# Altium PCB novena_evt1_a.PcbDoc (part 1 of 12)
Units mm, origin at the board's own origin, x right, y up, seen from the top; angles counter-clockwise.
Board outline 121 x 150 mm, 10 copper layers (Top, L2-GND, L3, L4, L5-PWR, L6-PWR, L7, L8, L9-GND, Bot), stack 1.621 mm thick; 951 components, 714 nets, 4891 pads, 2105 vias.
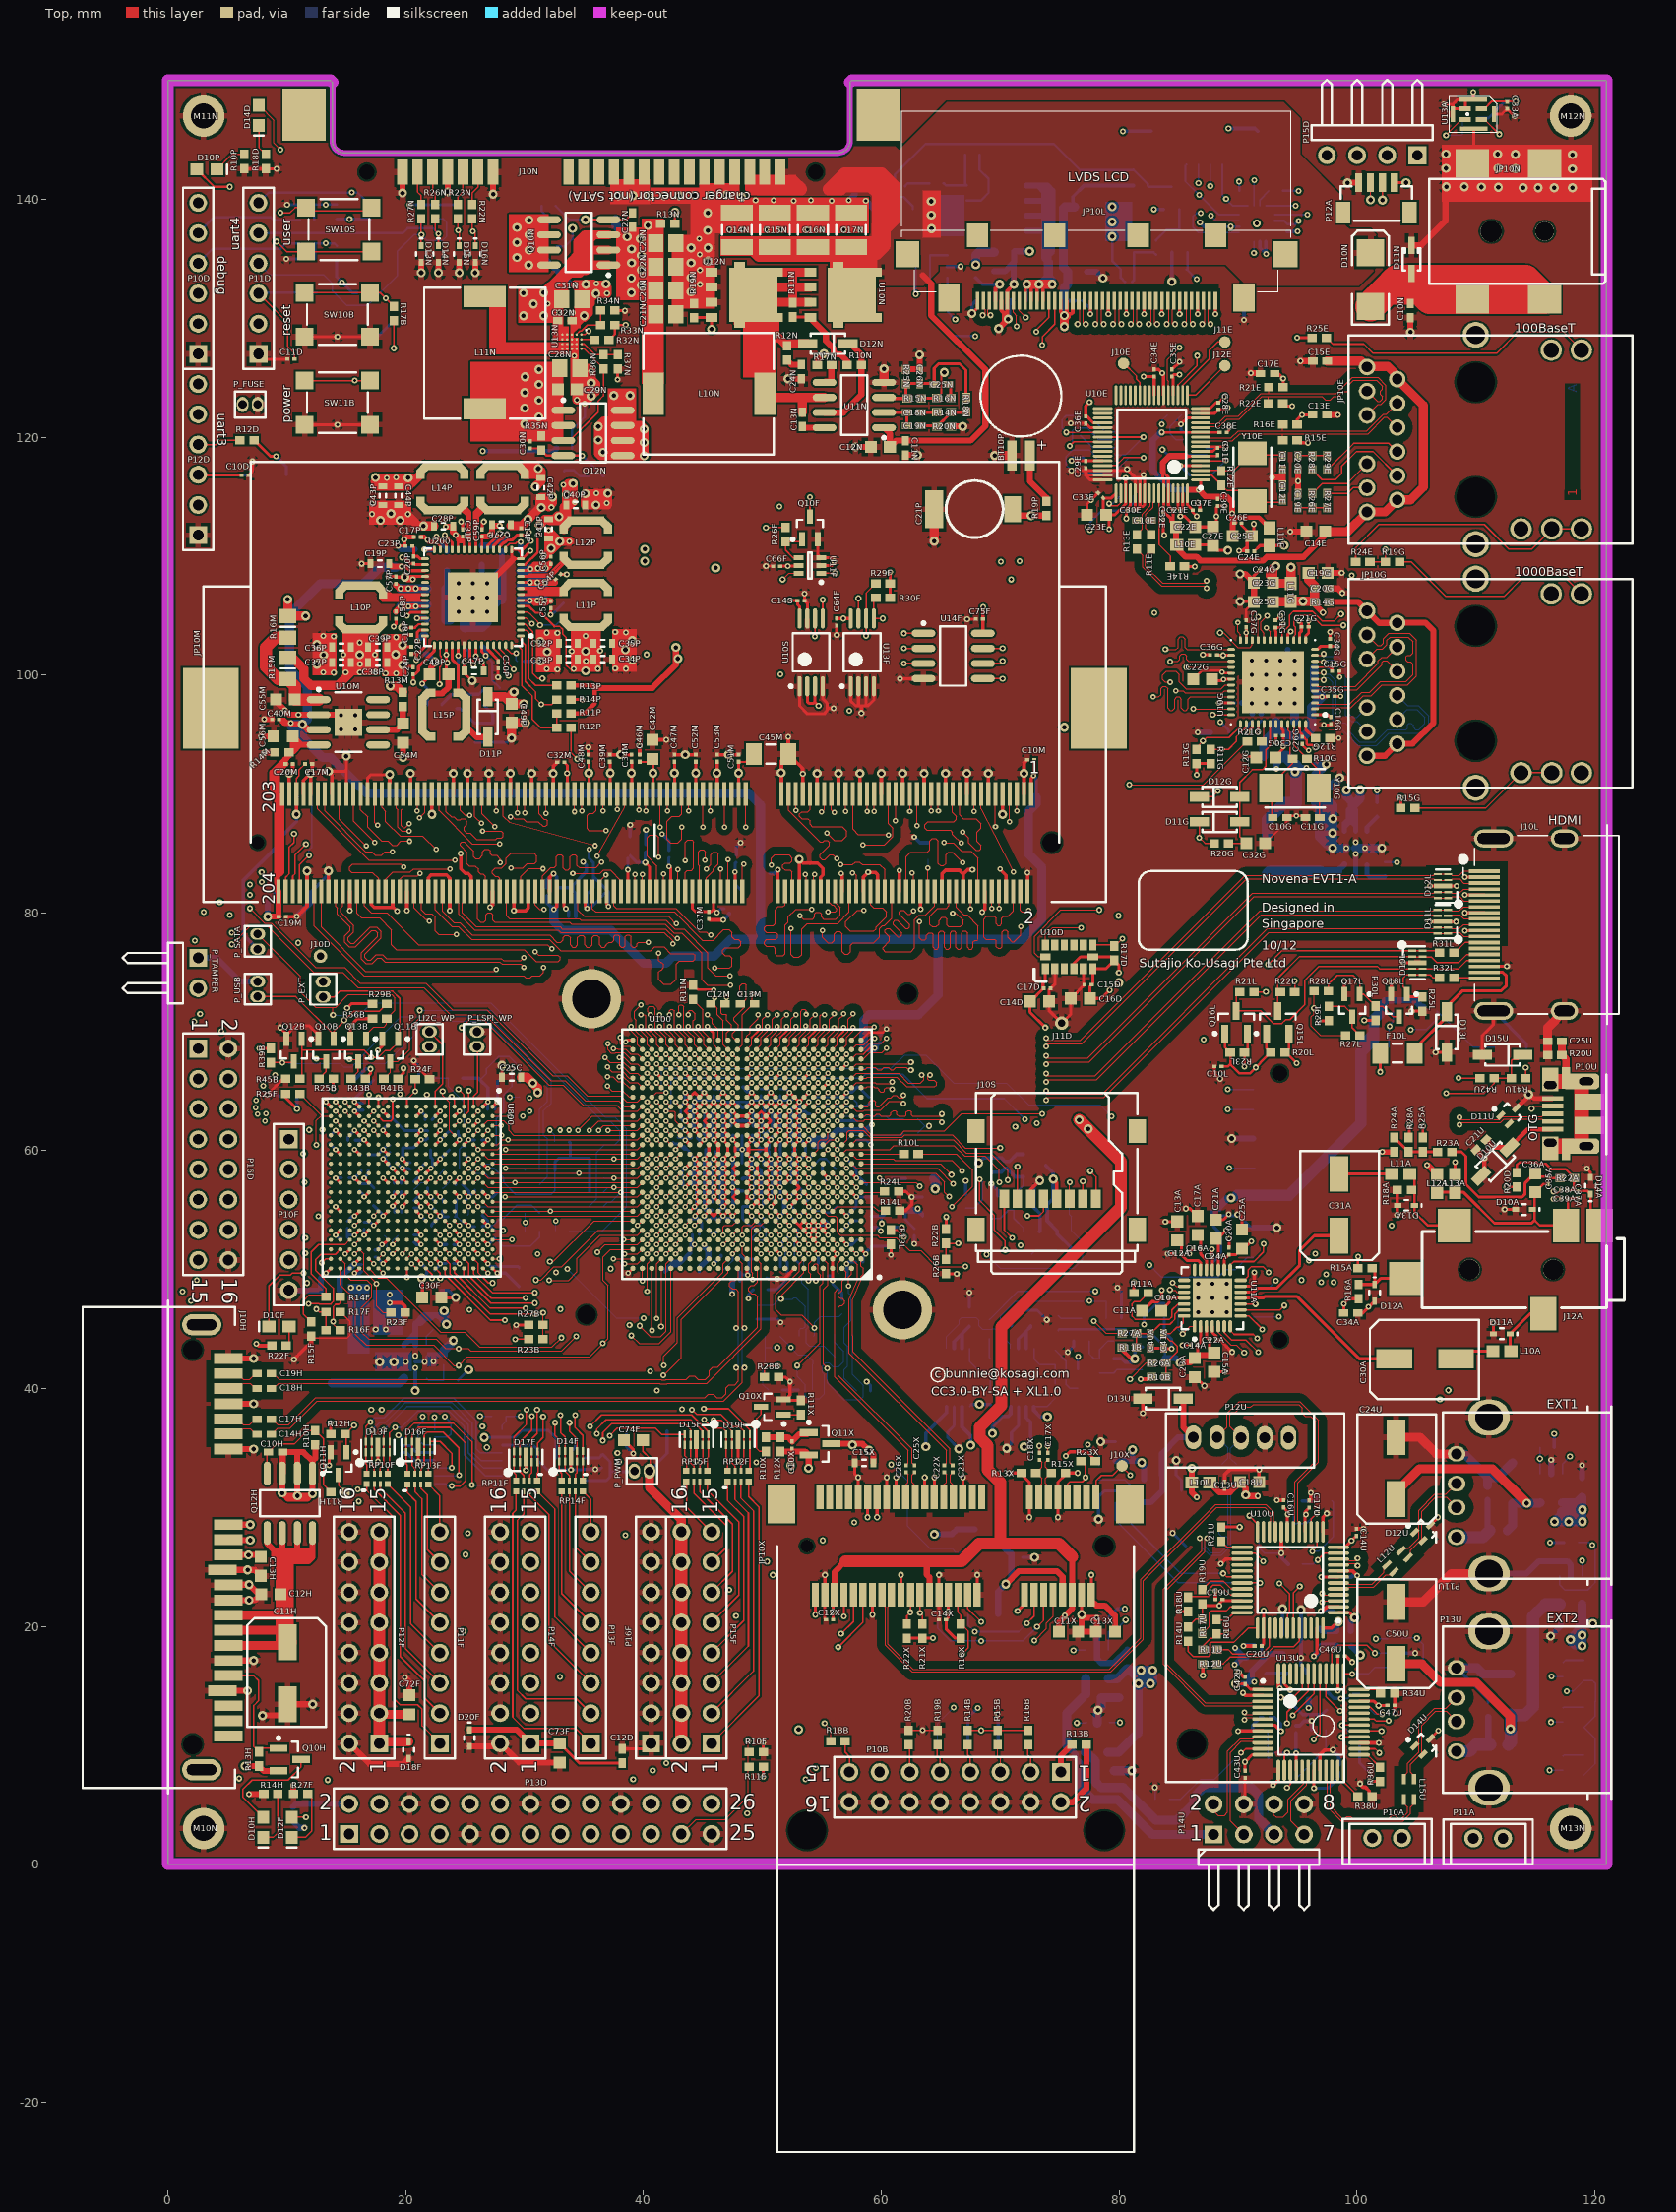
[diagram p0: Top view]
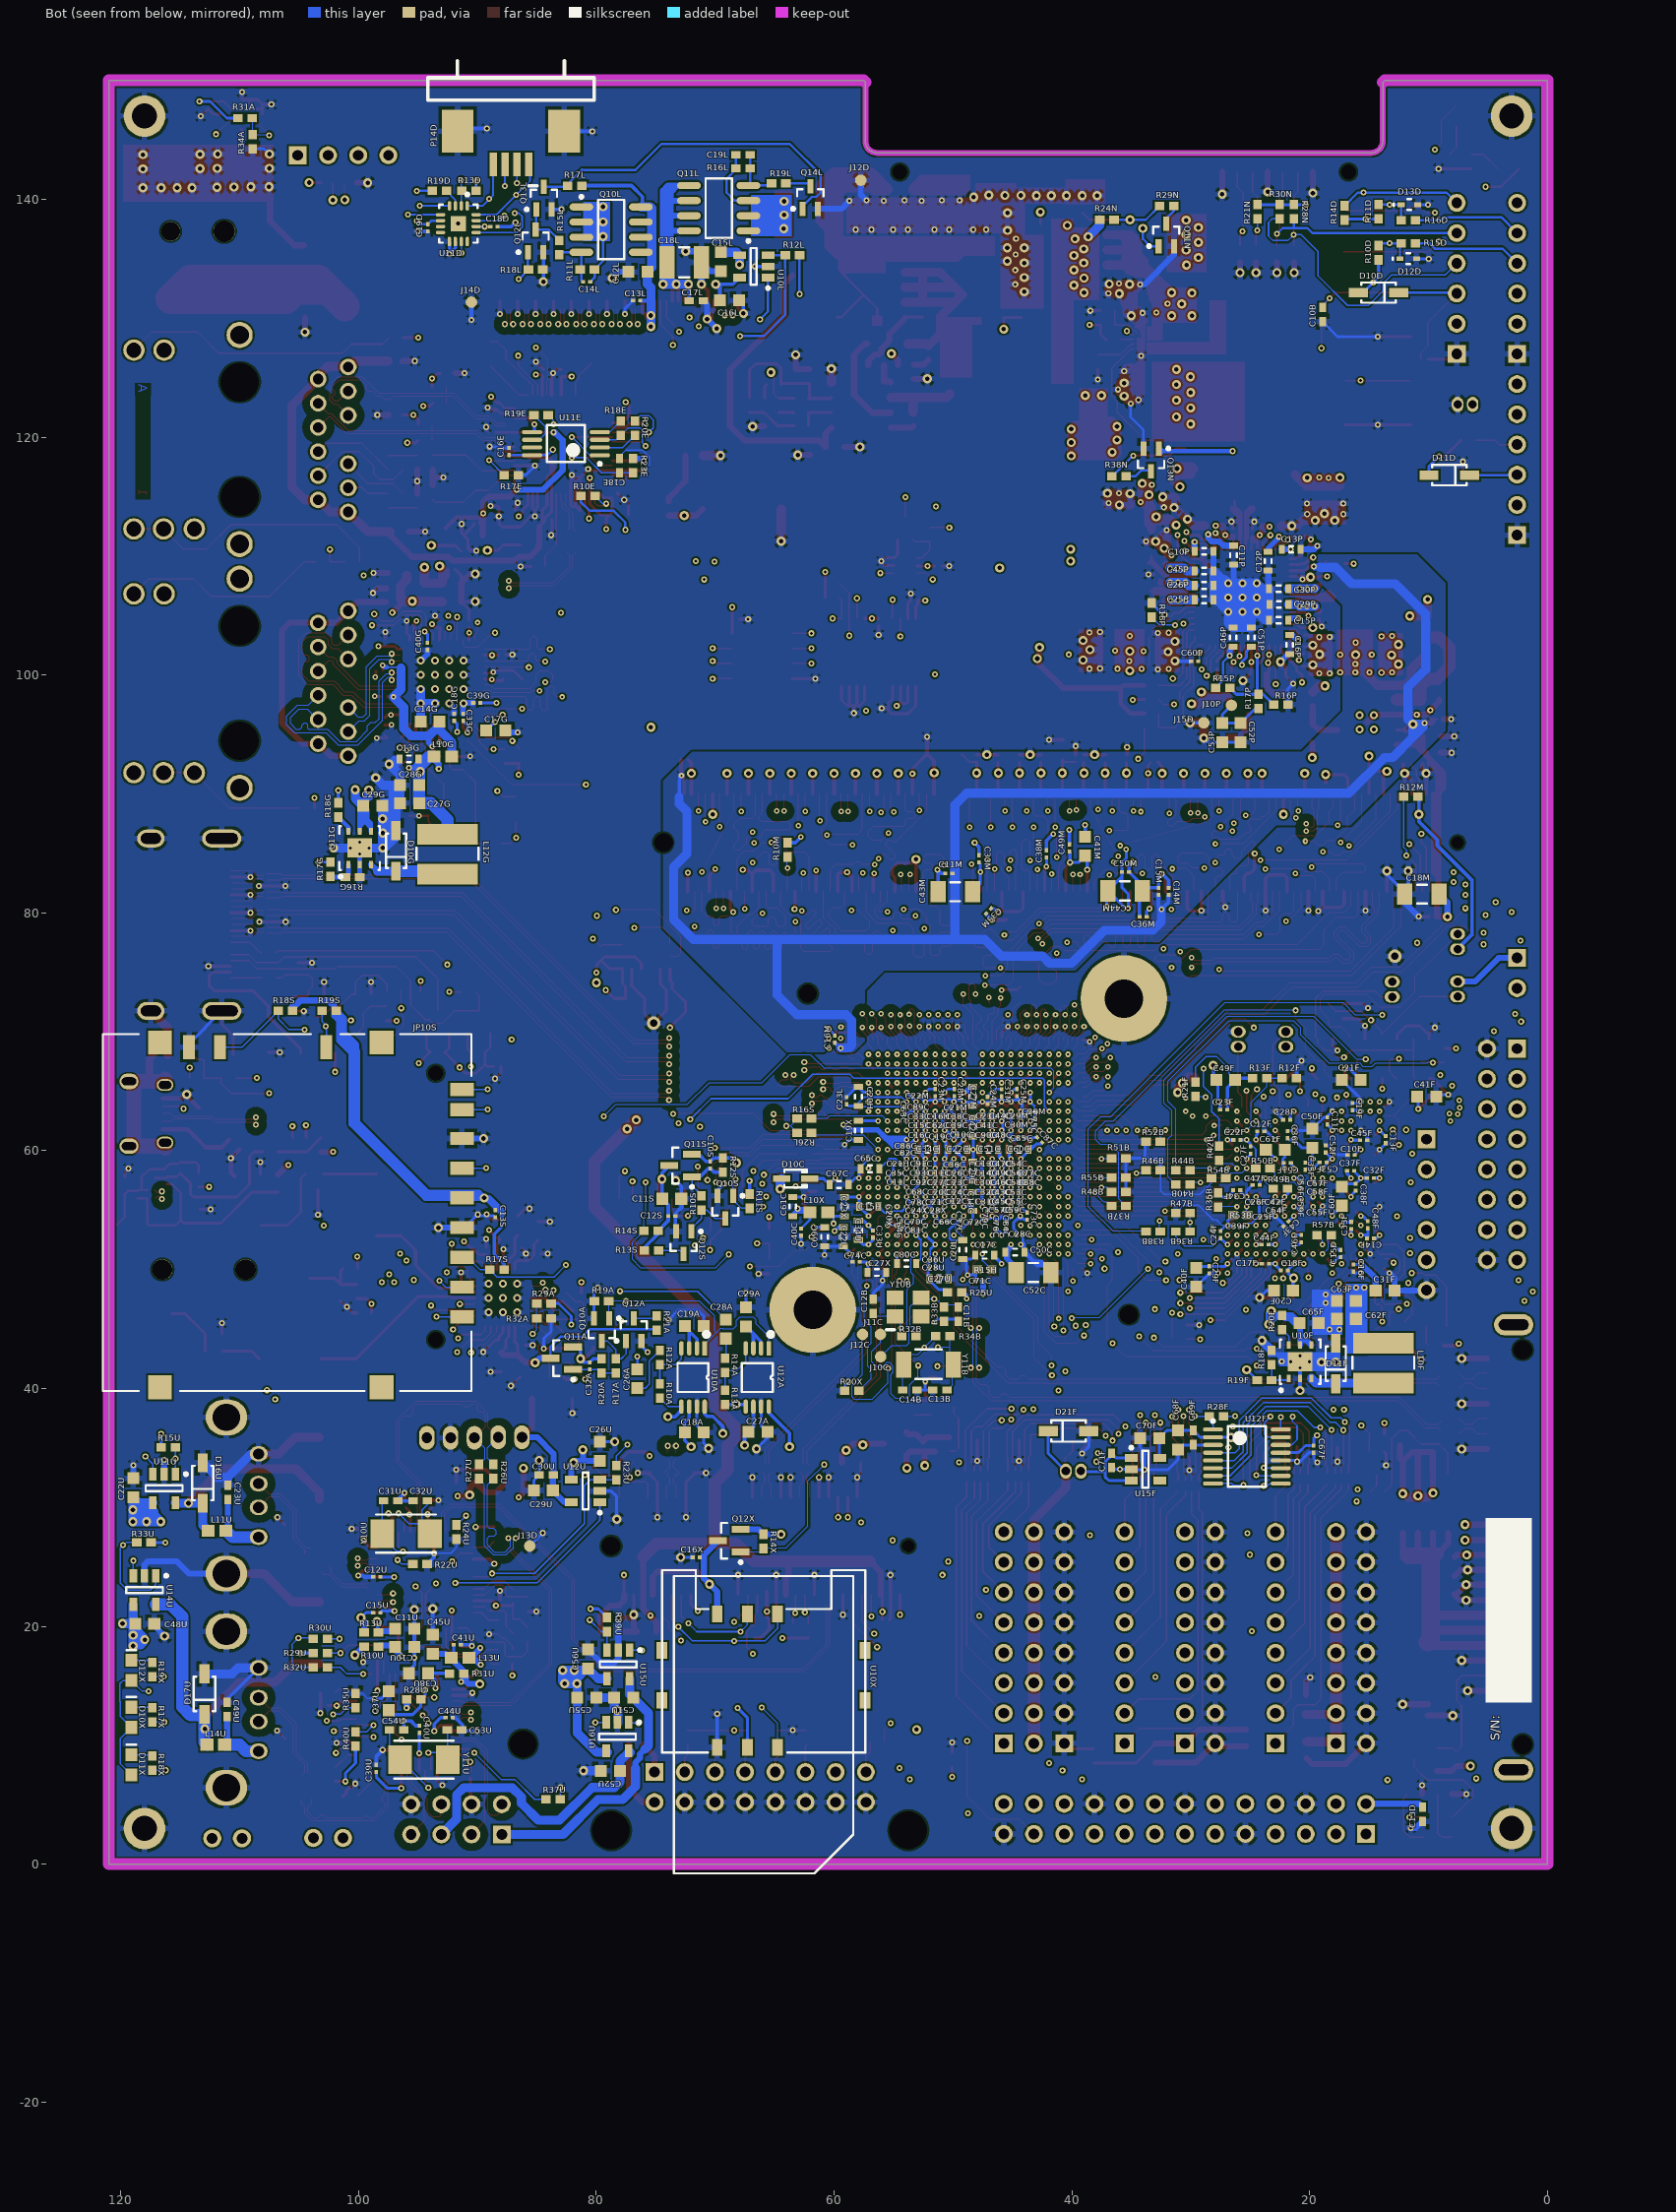
[diagram p1: Bot view, seen from below]
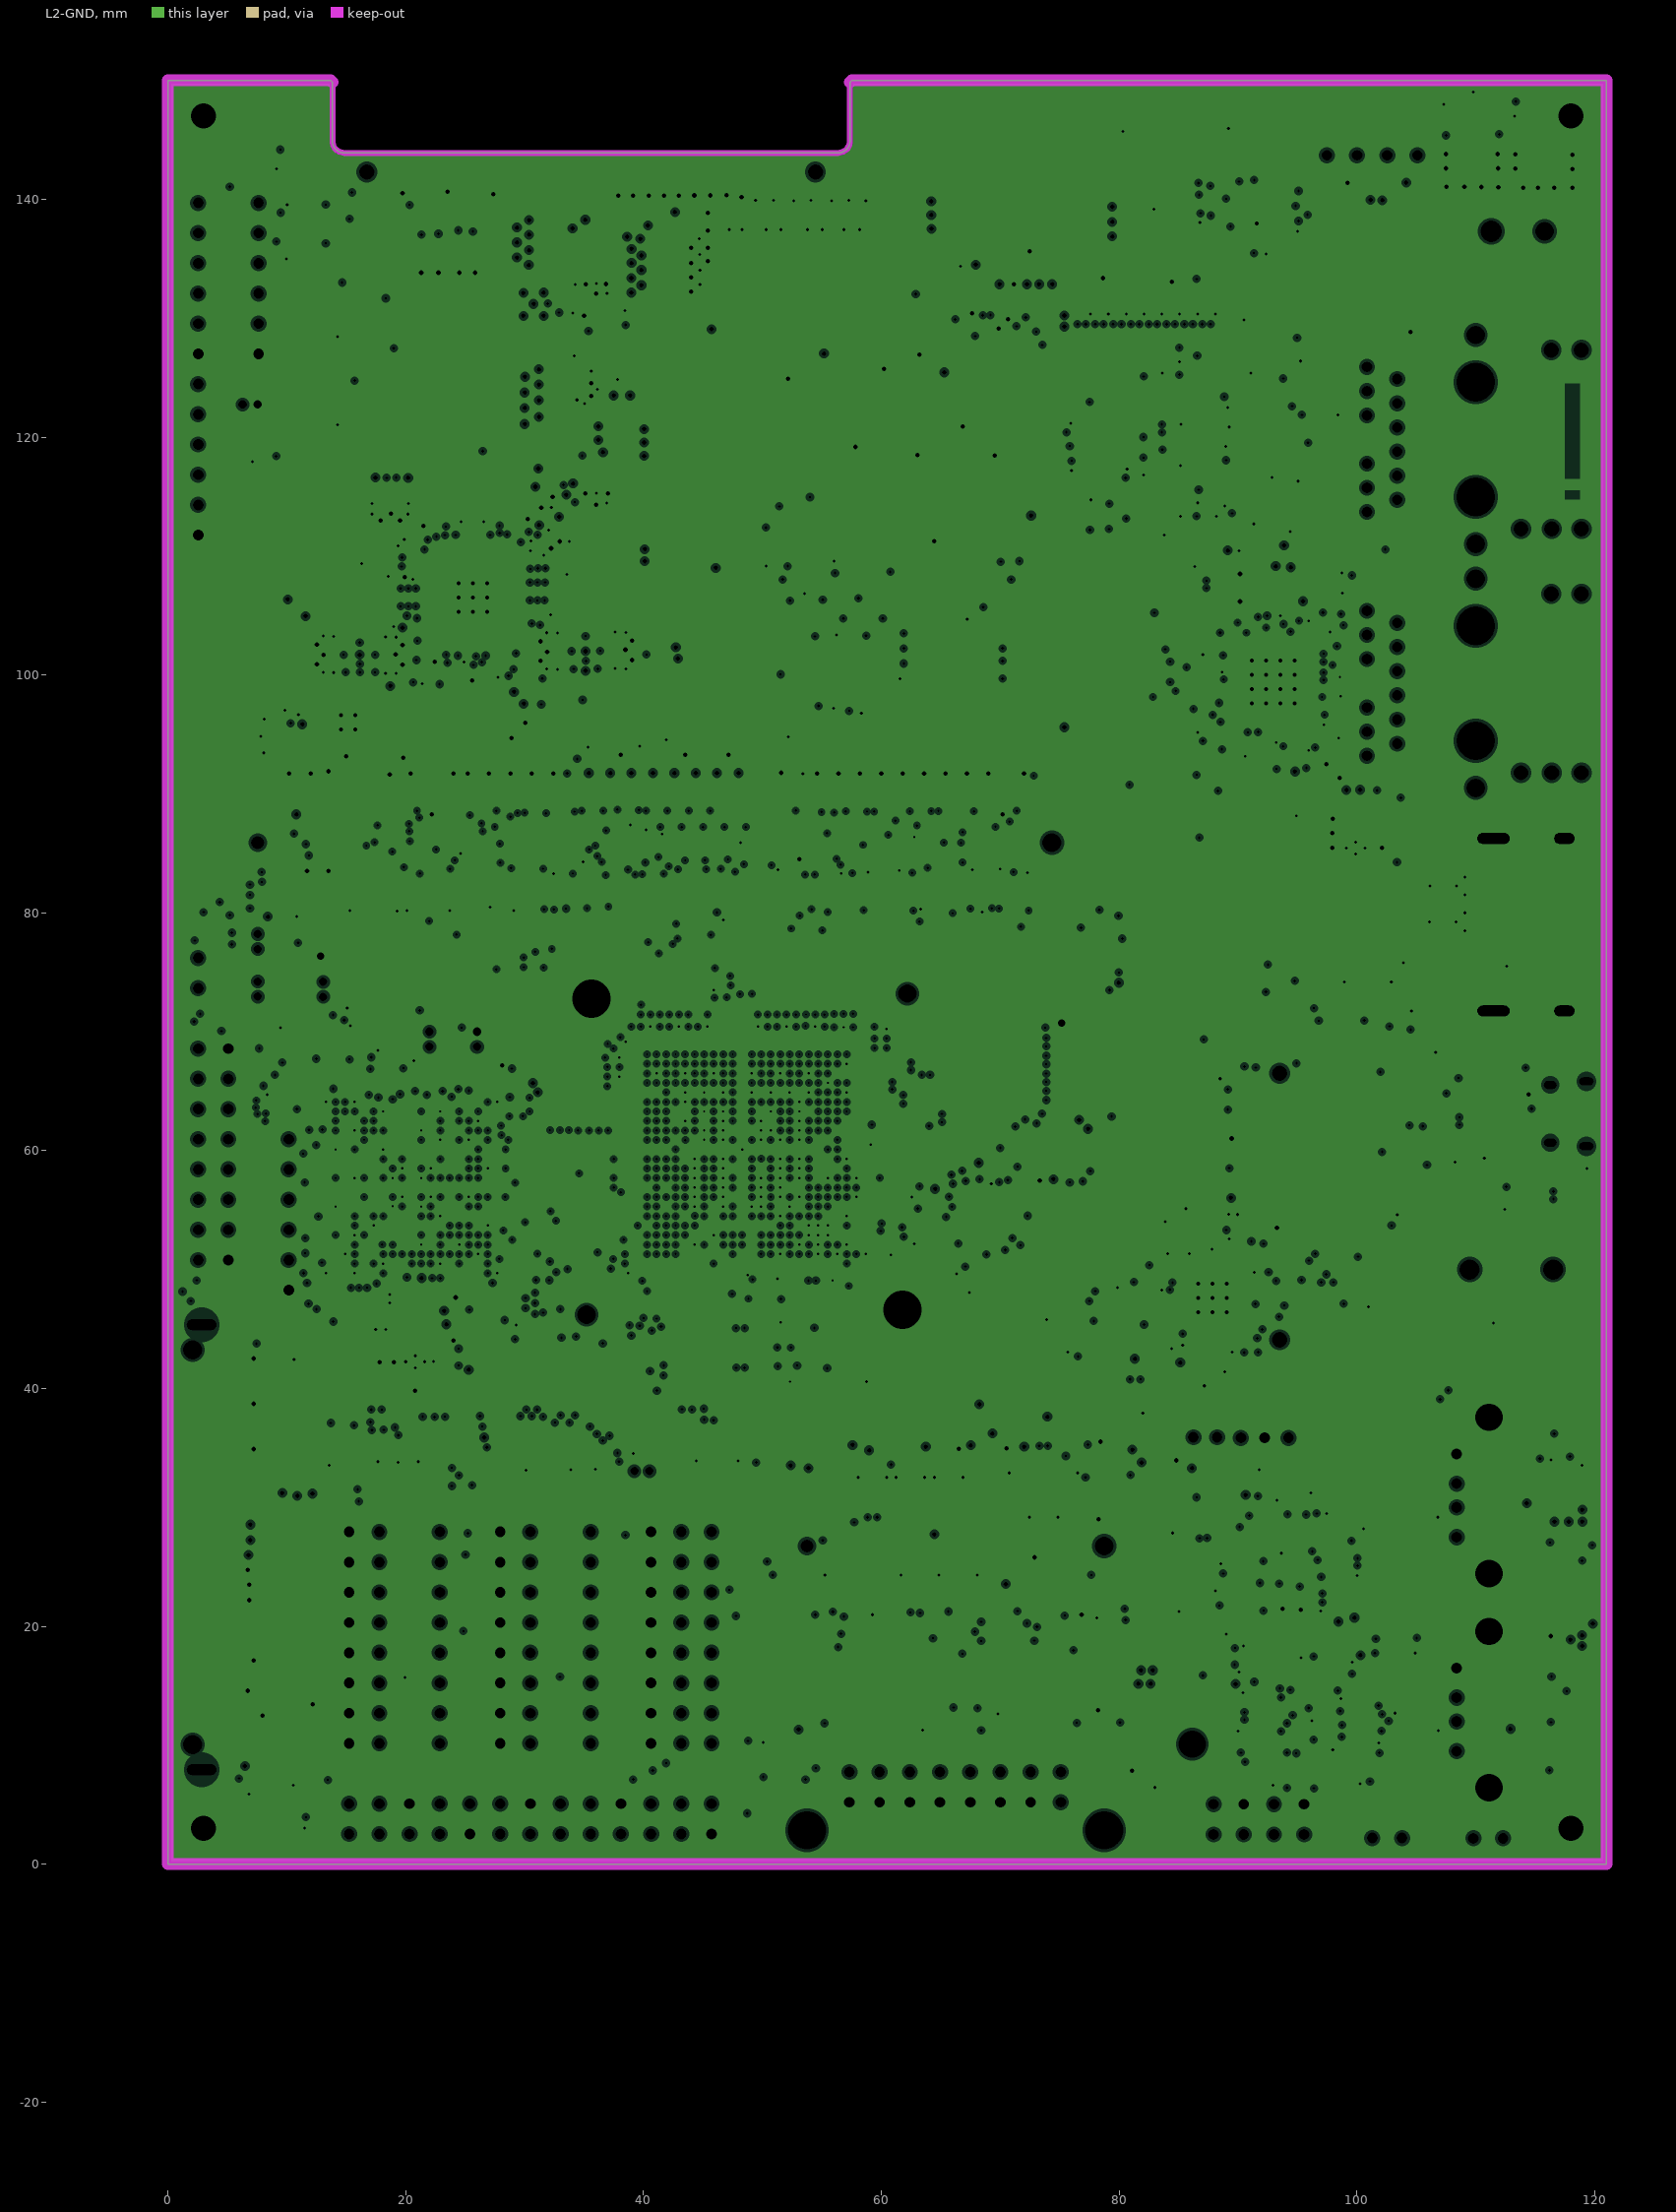
[diagram p2: L2-GND, clearances drawn from the general rule]
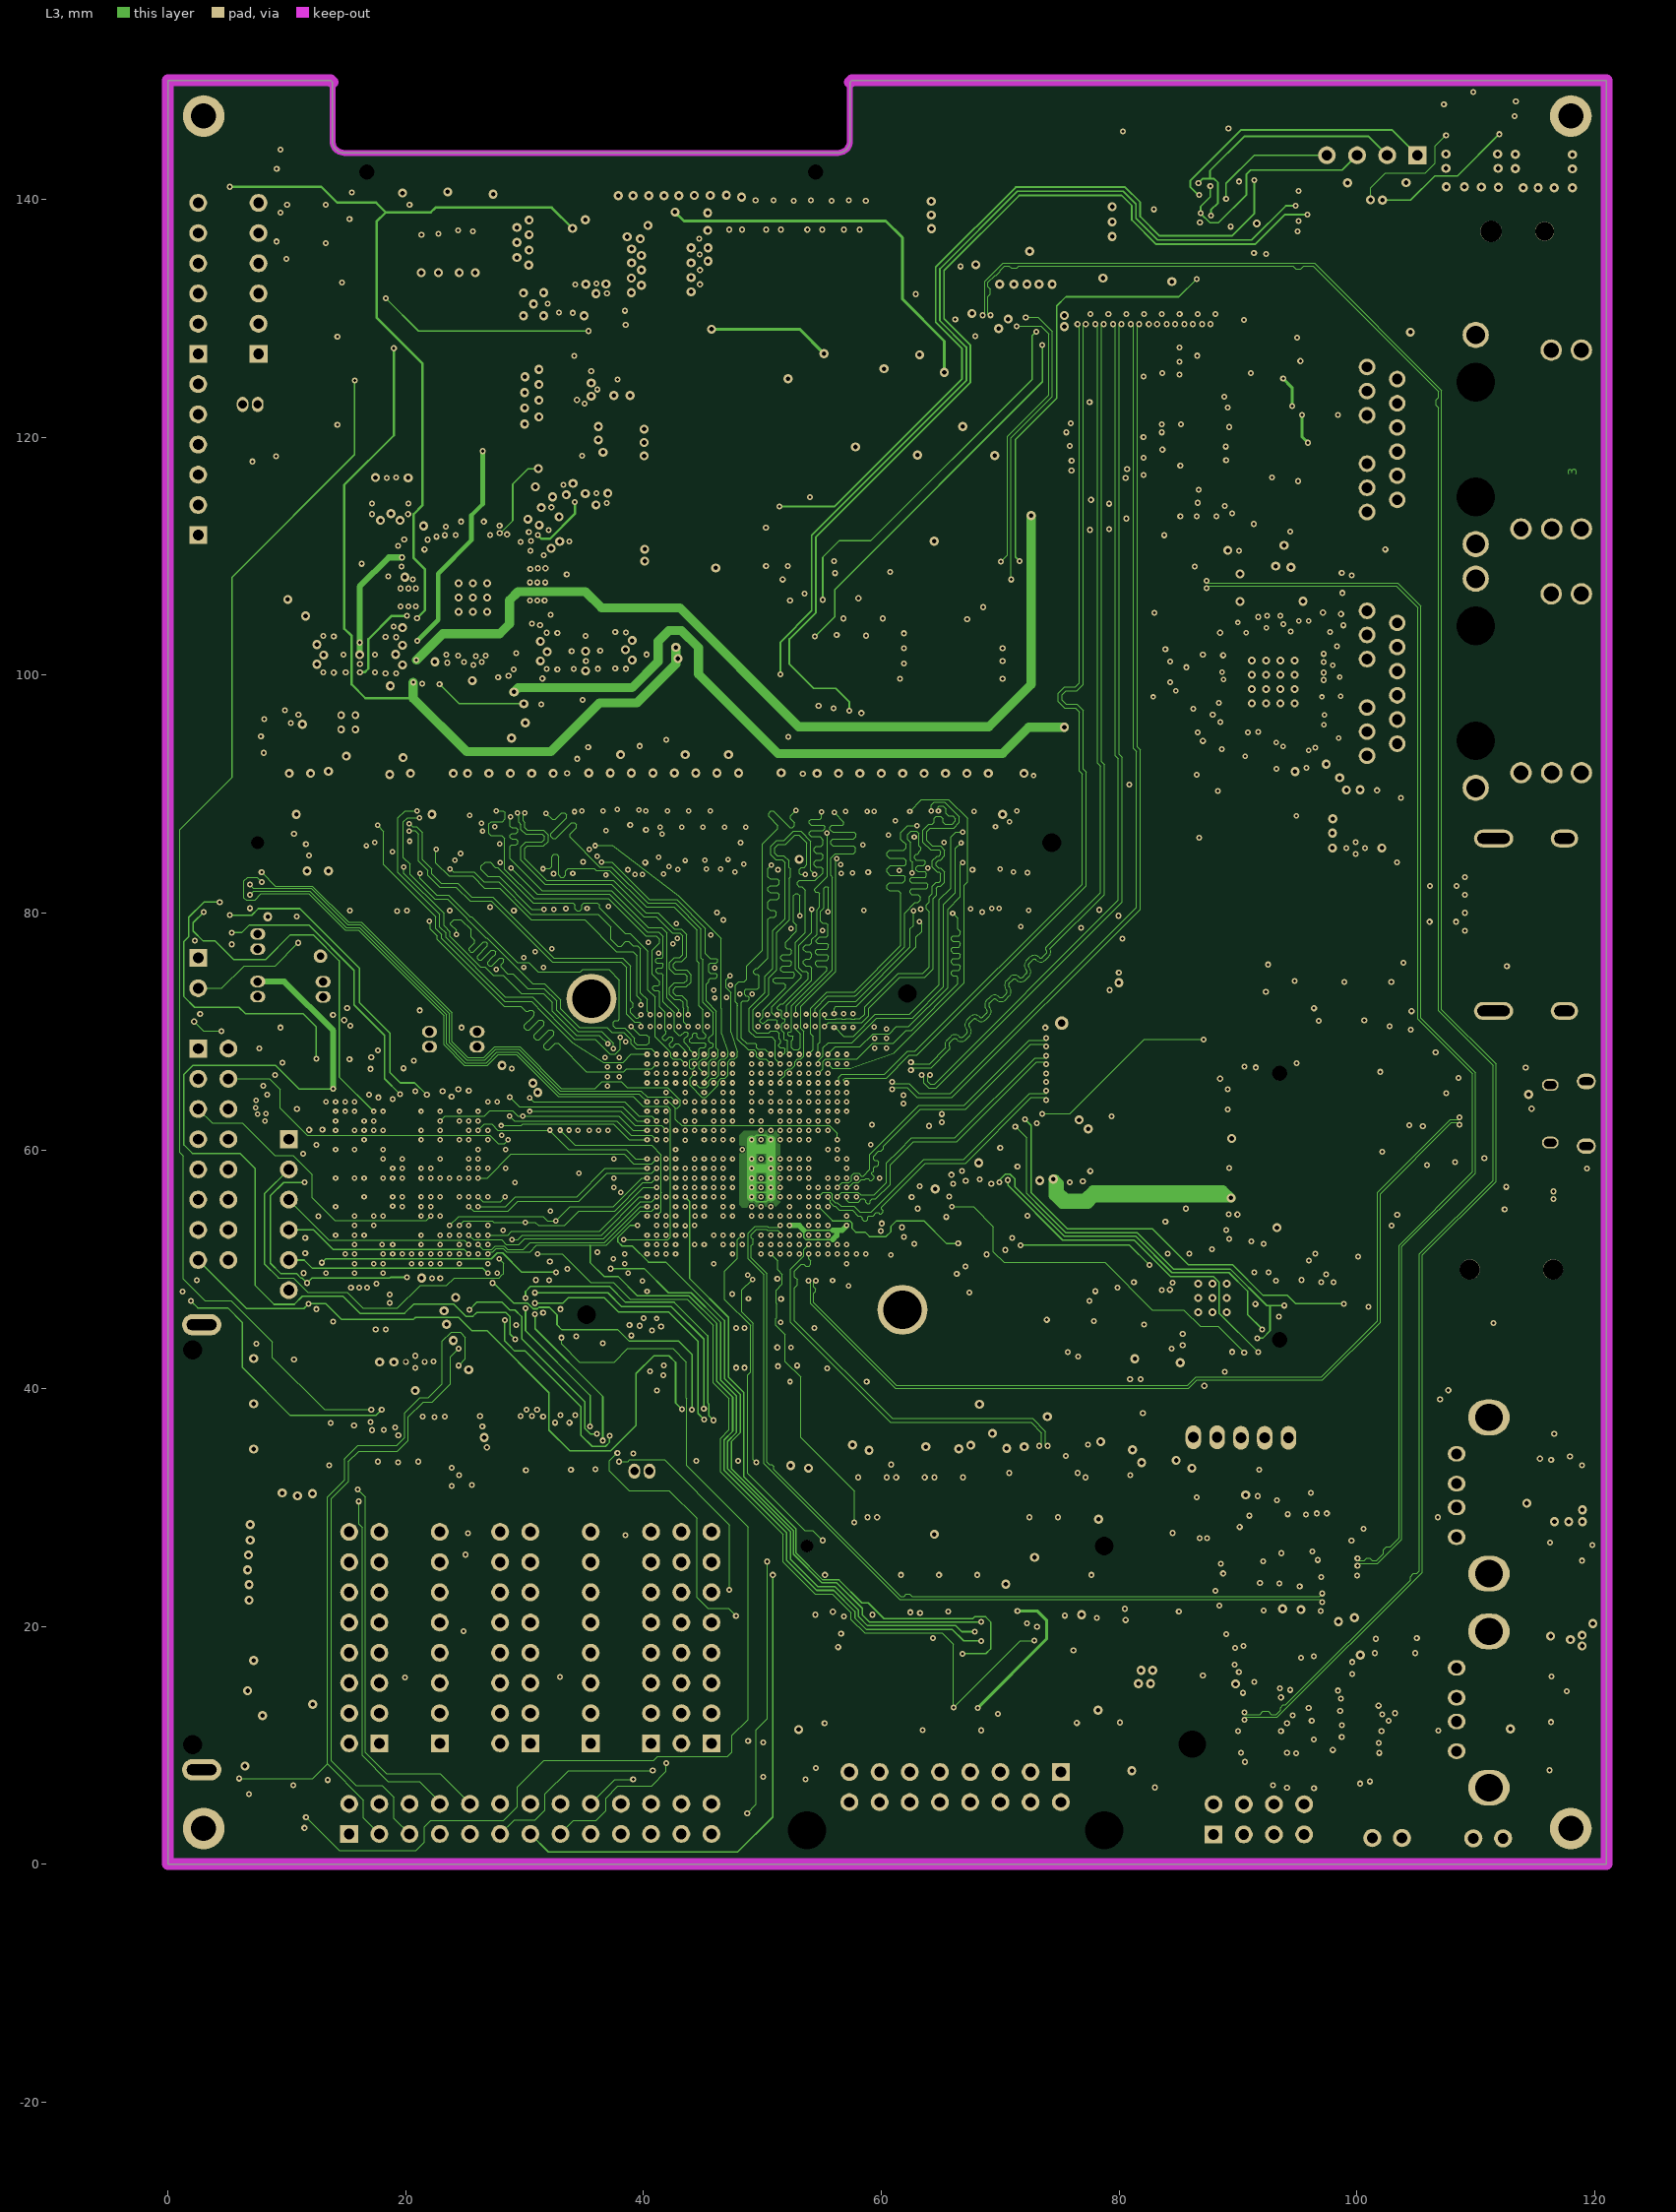
[diagram p3: L3]